# Altium PCB DAC_Sources.PcbDoc (part 3 of 8)
Units mm, origin at the board's own origin, x right, y up, seen from the top; angles counter-clockwise.
Board outline 277 x 137 mm, 8 copper layers (Top Layer, GND_02, SIG_03, PWR_04, PWR_05, SIG_06, GND_07, Bottom Layer), stack 1.669 mm thick; 635 components, 416 nets, 2247 pads, 2216 vias.
Unrouted connection lines stored in the file: 515.
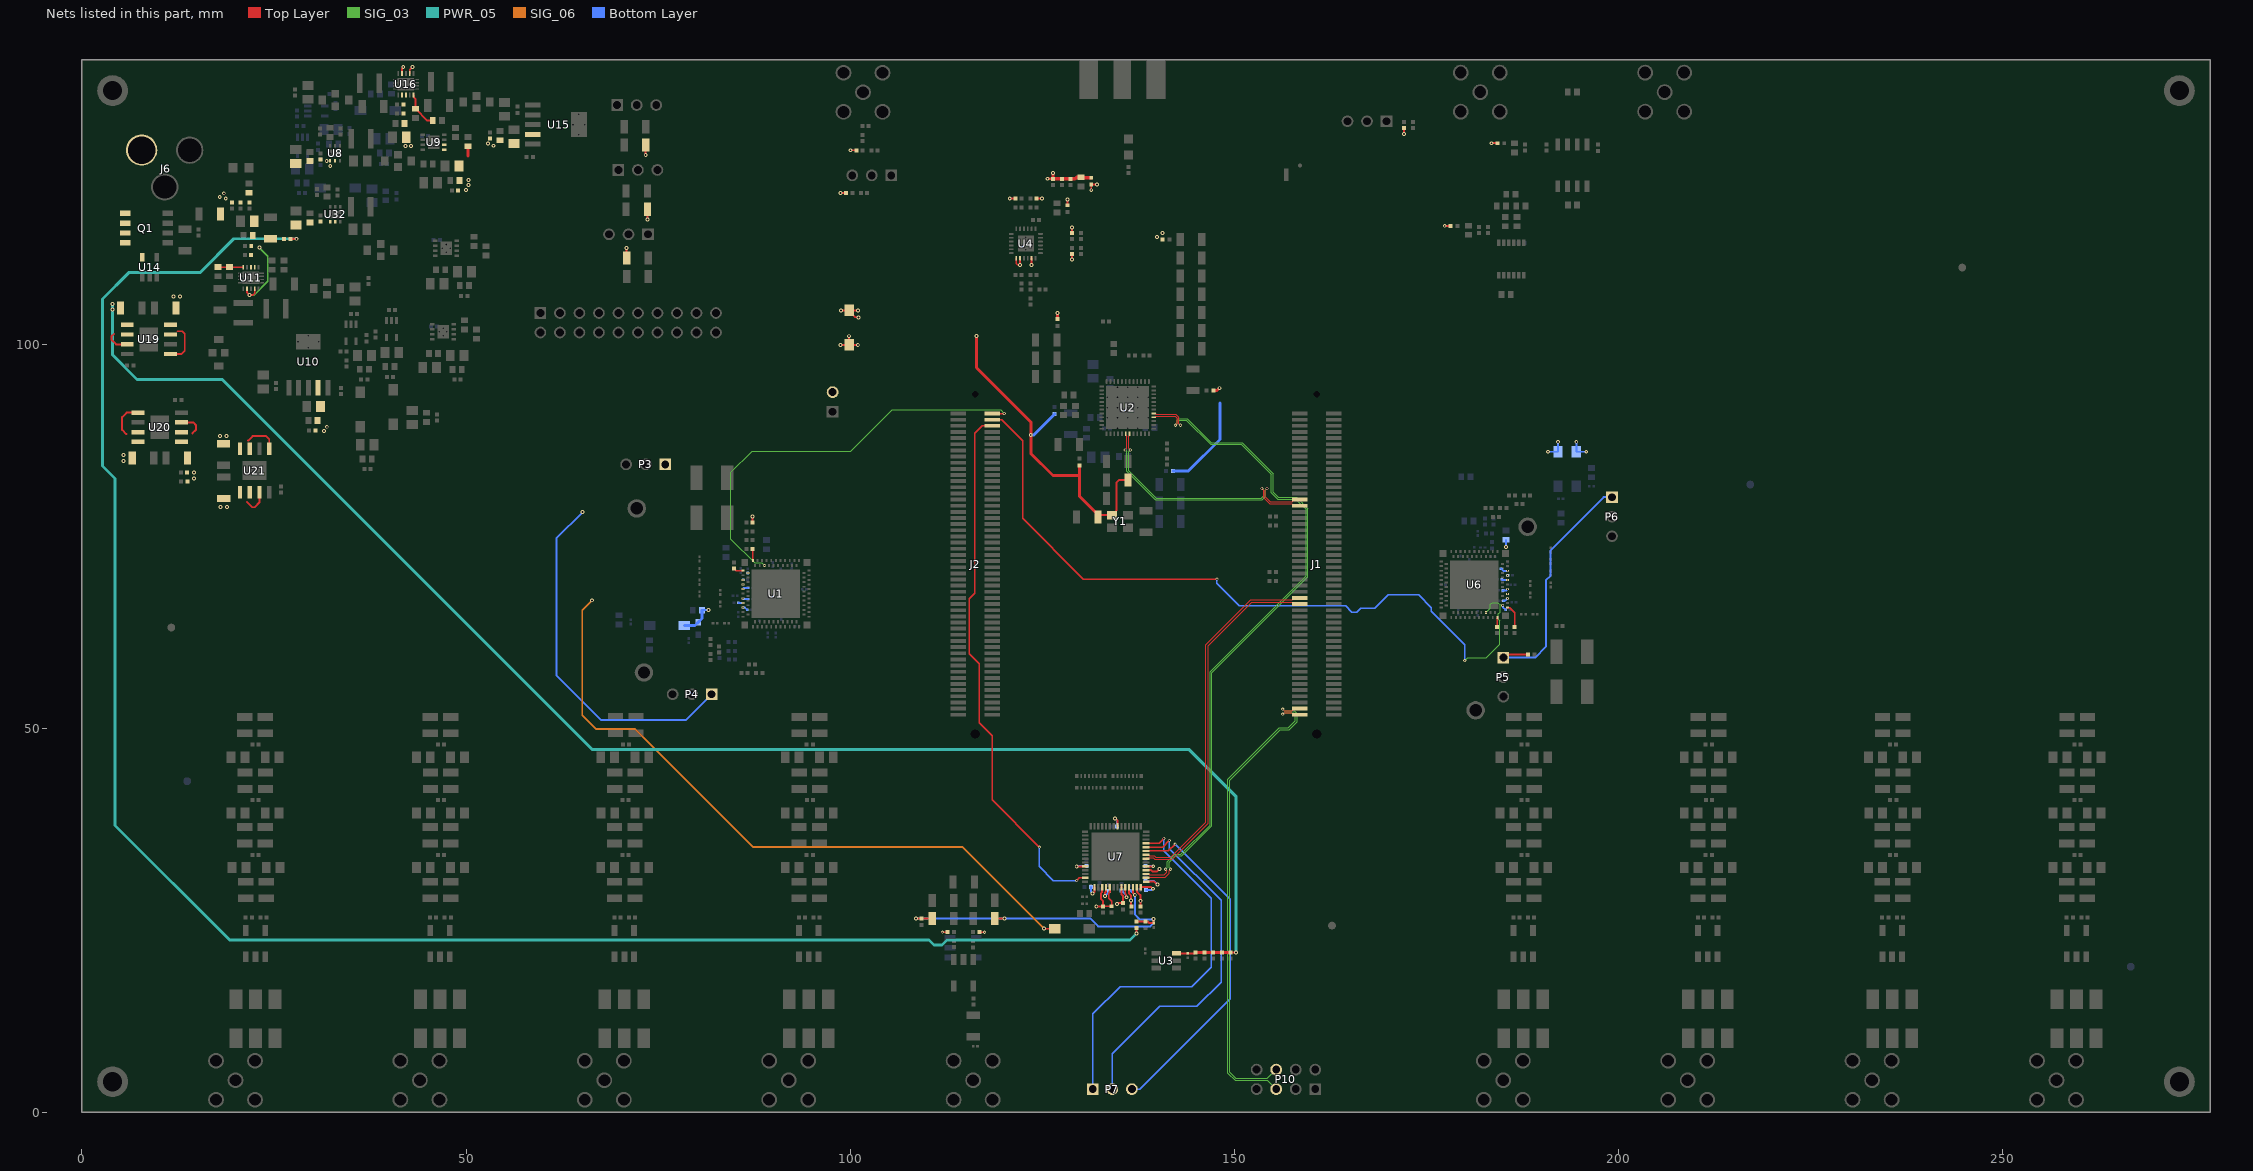
[diagram p9: the nets of this part, all layers, seen from the top]

## Via types
v1: diameter 0.406, hole 0.203, Top Layer to Bottom Layer, tented both sides, 1493 vias
v2: diameter 0.508, hole 0.254, Top Layer to Bottom Layer, tented both sides, 563 vias
v3: diameter 0.254, hole 0.152, Top Layer to Bottom Layer, tented both sides, 60 vias
v4: diameter 0.6, hole 0.3, Top Layer to Bottom Layer, tented top, 58 vias
v5: diameter 0.61, hole 0.305, Top Layer to Bottom Layer, tented top, 25 vias
v6: diameter 0.61, hole 0.305, Top Layer to Bottom Layer, tented both sides, 15 vias
v7: diameter 2, hole 1, Top Layer to Bottom Layer, tented both sides, 2 vias

## Nets (pads, with @x,y where several pads share a name; then routed paths per layer and width w, separated by ;. In a path a pad name is that pad's centre, name@x,y a point inside that pad or via, vN(x,y) a via of type N, cw(c..) or ccw(c..) an arc to the next point about the centre after c; other vN are vias at no path point) (continued)
1.8V_AVDD: C116.1 C117.1 C118.1 C119.1 C120.1 C122.1 C124.1 C125.1 C126.1 C127.1 C128.1 C129.1 C130.1 U7.30 U7.32 U7.33 U7.34 U7.37 U7.38 U7.39 U7.41 U7.42 U7.43 U7.46 U20.5 U20.6 U20.7 | length 33.8
  Top Layer w0.254: U20.7@12.966,89.815 14.505,89.815 14.86,89.46 14.86,88.84 14.39,88.37 ; v2@131.53,28.48 v2(131.538,28.488) 131.769,28.719 131.769,29.305 U7.30@131.8,29.336 ; v2(132.03,26.83) C125.1@132.91,26.83 ; U7.32@132.8,29.336 132.8,28.69 132.62,28.51 132.62,27.788 132.91,27.498 C125.1@132.91,26.83 ; v2@133.14,28.15 v2(133.148,28.158) 133.15,28.16 133.15,28.61 133.3,28.76 U7.33@133.3,29.336 ; U7.34@133.8,29.336 133.8,28.7 133.65,28.55 133.65,27.89 134.04,27.5 C126.1@134.04,26.84 132.92,26.84 C125.1@132.91,26.83 ; v2(134.73,27.11) 134.86,27.24 C127.1@135.49,27.24 135.49,28.23 135.3,28.42 U7.37@135.3,29.336 ; U7.38@135.8,29.336 135.8,28.46 135.931,28.329 135.931,28.059 v2(135.98,28.01) ; U7.39@136.3,29.336 136.3,28.49 136.532,28.258 136.532,26.928 C120.1@136.63,26.83 ; U7.41@137.3,29.336 137.314,29.322 137.314,28.744 137.78,28.278 137.78,27.56 v2(137.77,27.55) 137.775,27.545 137.775,26.835 C130.1@137.78,26.83 ; U7.42@137.8,29.336 139.174,29.336 v2(139.39,29.12) ; U7.43@138.5,30.036 139.575,30.036 139.951,29.66 v2(140.02,29.66) ; U7.46@138.5,31.536 139.164,31.536 139.33,31.37 139.95,31.37 v2@140.27,31.69
  Bottom Layer w0.254: C124.1@131.32,29.36 131.32,28.706 v2(131.538,28.488) ; v2(133.148,28.158) 133.67,28.68 C118.1@133.67,28.81 ; C119.1@135.29,28.92 135.931,28.279 135.931,28.059 v2(135.98,28.01) ; C116.1@138.46,30.11 139.57,30.11 v2(140.02,29.66) ; C117.1@138.47,28.94 139.21,28.94 v2(139.39,29.12)
  other v2: 136.532,27.593 140.278,31.698 14.58,82.491 14.58,83.31
1.8V_DRVDD: C132.1 C133.1 C134.1 C135.1 U7.7 U7.24 U7.47 U21.5 U21.6 U21.7 | length 10.2
  Top Layer w0.254: 21.51,79.43 22.17,78.77 22.49,78.77 23.125,79.405 U21.7@23.125,80.724 ; v2(129.484,32.036) U7.24@130.6,32.036 ; v2(134.48,38.28) 134.8,37.96 U7.7@134.8,37.236 ; U7.47@138.5,32.036 139.439,32.036 v2(139.447,32.044)
  Bottom Layer w0.254: v2(129.484,32.036) 129.558,32.11 C134.1@130.75,32.11 ; v2(134.48,38.28) 134.73,38.03 C133.1@134.73,37.21 ; C135.1@138.44,32.05 139.4,32.05 v2@139.42,32.03
  other v2: 18.061,78.81 18.88,78.81
3.3V_AVDD: C114.1 C136.1 C137.1 C138.1 C139.1 C140.1 C307.1 U3.3 U19.5 U19.6 U19.7 | length 207.9
  Top Layer w0.254: 4.2,101.34 3.86,101 3.86,100.58 4.465,99.975 U19.7@5.904,99.975 ; U3.3@142.47,20.71 C307.1@143.91,20.71 144.845,20.71 C136.1@144.968,20.833 ; C140.1@149.52,20.833 v2(150.19,20.833)
  Top Layer w0.381: C136.1@144.968,20.833 C137.1@146.11,20.833 C138.1@147.25,20.833 C139.1@148.39,20.833 C140.1@149.52,20.833
  PWR_05 w0.381: v2(3.98,105.209) 3.98,98.61 7.18,95.41 18.28,95.41 66.47,47.22 144.13,47.22 150.19,41.16 v2(150.19,20.833)
  other v2: 3.98,104.49
3.3V_LOGIC: FB12.2 P3.1 P4.1 P5.1 P6.1 R70.2 R75.2 | length 84
  Top Layer w0.254: R70.2@87.31,76.77 v2(87.31,77.59) ; v2(98.75,99.91) FB12.2@99.87,99.91 ; v2(99.87,101.03) FB12.2@99.87,99.91 ; v2(100.99,99.91) FB12.2@99.87,99.91 ; P5.1@185.01,59.2 185.41,59.6 R75.2@188.24,59.6
  Bottom Layer w0.254: v2(65.17,78.13) 61.77,74.73 61.77,56.91 67.61,51.07 78.61,51.07 P4.1@81.97,54.43 ; P5.1@185.01,59.2 189.13,59.2 190.557,60.627 190.557,65.059 190.55,65.066 190.55,69.25 191.16,69.86 191.16,73.17 198.07,80.08 P6.1@199.15,80.08
3.3VA_DAC1: C53.2 C54.1 C56.2 C220.1 C221.1 C222.1 C223.1 C224.1 C225.1 C226.1 FB11.1 FB17.1 FB20.1 U1.A36 U1.A37 U1.A38 U1.A40 U1.A41 U1.A42 U1.B31 U10.4 | length 95.6
  Top Layer w0.254: v2@125.24,23.91 FB20.1@126.61,23.91
  SIG_06 w0.254: v2(66.4,66.66) 65.13,65.39 65.13,51.7 66.91,49.92 71.99,49.92 87.33,34.58 114.586,34.58 v2(125.248,23.918)
  Bottom Layer w0.254: C226.1@80.93,65.37 v2(81.58,65.37) ; C224.1@85.43,66.32 86.028,66.32 v3(86.03,66.318) ; v3(86.03,65.718) 86.282,65.718 C225.1@86.6,65.4 ; v3(86.03,66.918) 86.118,66.83 C223.1@86.72,66.83 ; v3(86.03,68.118) 86.172,68.26 C221.1@86.69,68.26
  Bottom Layer w0.381: FB17.1@78.41,63.39 79.805,63.39 FB11.1@80.23,63.815 80.71,64.295 C226.1@80.71,65.36
  other v2: 31.51,88.67 31.88,89.24
  other v3: 86.03,68.718 86.03,69.318 86.68,70.218
3.3VA_DAC2: C88.2 C89.1 C91.2 C241.1 C242.1 C243.1 C244.1 C245.1 C246.1 C247.1 FB18.1 FB19.1 U6.A36 U6.A37 U6.A38 U6.A40 U6.A41 U6.A42 U6.B31 U15.4 | length 9.9
  Bottom Layer w0.254: C241.1@184.71,70.79 185,70.5 v3(185.53,70.5) ; C242.1@184.8,69.39 184.89,69.3 v3(185.53,69.3) ; v3(184.94,66) 184.94,65.76 185.3,65.4 C246.1@185.32,65.4 ; C244.1@184.96,67.96 185.39,67.96 v3(185.53,68.1) ; C245.1@185.02,66.6 185.23,66.6 v3(185.53,66.9) ; v2(185.35,73.6) C247.1@185.35,74.53 ; v2(190.81,85.99) FB18.1@192.11,85.99 v2(192.11,87.29) ; v2(194.5,87.29) FB19.1@194.5,85.99 v2(195.8,85.99)
  other v2: 53.59,125.82 52.88,126.09
  other v3: 185.53,67.5 185.53,69.9
3.3VCLK: C35.2 C36.1 C38.2 C311.1 FB1.1 FB2.1 FB3.1 FB4.1 FB5.1 FB6.1 FB12.1 FB21.1 FB22.1 FB23.1 FB25.1 P2.2 R23.2 R25.2 R28.2 R33.2 R84.2 R88.2 R94.2 R95.2 U9.1 U9.2 Y1.4 | length 75
  Top Layer w0.23: FB25.1@128.27,118.08 v2(128.27,118.81) ; v2(131.375,120.03) FB21.1@131.375,120.76 v2(132.105,120.76)
  Top Layer w0.254: R95.2@70.91,111.19 v2(70.91,112.49) ; v2(73.39,124.6) R88.2@73.39,125.9 ; R94.2@73.62,117.55 73.64,117.53 v2(73.64,116.23) ; v2(98.73,119.69) R28.2@99.47,119.69 ; v2(98.78,104.38) 99.9,104.38 FB12.1@99.87,104.41 100.12,104.41 100.12,104.01 100.631,103.499 101.031,103.499 v2(101.08,103.45) ; v2(100.06,125.23) R25.2@100.8,125.23 ; FB12.1@100.12,104.38 v2(101.02,104.38) ; C311.1@132.25,77.5 132.505,77.755 Y1.4@134.07,77.755 134.64,78.325 134.64,81.94 135.02,82.32 R23.2@136.15,82.32 ; R84.2@172.06,128.1 172.065,128.095 172.065,127.345 v2(172.07,127.34) ; v2(177.38,115.4) 177.385,115.395 178.135,115.395 FB22.1@178.14,115.39 ; v2@183.48,126.15 FB23.1@184.23,126.15
  Top Layer w0.381: R33.2@50.27,125.74 50.27,124.5 50.28,124.49 ; v2(116.44,101.08) 116.44,96.93 123.51,89.86 123.51,85.77 126.38,82.9 129.84,82.9 ; FB3.1@126.97,103.28 v2(126.97,104.04) ; FB6.1@129.84,84.2 129.84,82.9 ; C311.1@132.25,77.5 132.25,77.78 129.84,80.19 129.84,82.9 ; FB1.1@147.29,93.95 147.75,93.95 v2(148.06,94.26)
  Bottom Layer w0.381: v2(123.502,88.15) 123.511,88.159 123.899,88.159 126.541,90.801 126.541,90.841 126.58,90.88 FB2.1@126.62,90.88 ; FB5.1@142.02,83.48 144.01,83.48 148.12,87.59 148.12,92.36
  other v2: 139.93,113.94 140.66,114.44 50,120.056 50.32,120.686 50.33,121.336 183.475,126.145
3.3VCLK_PECL: C270.1 C271.1 C272.1 C273.1 FB21.2 R86.2 R87.2 R116.2 R117.2 U4.1 U4.2 U4.5 | length 12.5
  Top Layer w0.23: v2(120.77,118.96) R86.2@121.5,118.96 ; U4.1@121.62,111.19 121.62,110.49 121.79,110.32 v2(122.12,110.32) ; R87.2@124.24,118.96 v2(124.97,118.96) ; v2(128.88,110.995) R117.2@128.88,111.725 ; R116.2@128.88,114.455 v2(128.88,115.185)
  Top Layer w0.24: v2(122.12,110.32) U4.2@122.12,111.19 ; v2(123.62,110.32) U4.5@123.62,111.19
  Top Layer w0.381: v2(125.675,121.52) C270.1@126.405,121.52 v2(126.405,122.25)
  Top Layer w0.457: C270.1@126.405,121.52 C271.1@127.545,121.52 C272.1@128.685,121.52 129.255,121.52 129.465,121.73 C273.1@130.055,121.73 130.125,121.66 FB21.2@131.375,121.66
5V_AVDD: R80.2 R82.2 | length 239.2
  Top Layer w0.254: R82.2@27.14,113.7 R82.2@27.15,113.71 ; v2(137.26,23.29) R80.2@137.26,24.03
  Top Layer w0.381: R82.2@27.15,113.71 v2(27.93,113.71)
  PWR_05 w0.381: v2(27.93,113.71) 19.78,113.71 15.37,109.3 6.11,109.3 2.7,105.89 2.7,84.12 4.31,82.51 4.31,37.36 19.24,22.43 110.25,22.43 110.9,21.78 111.95,21.78 112.6,22.43 136.4,22.43 v2(137.26,23.29)
6V: C40.2 C42.2 C43.1 C45.2 C47.1 C48.1 C57.2 C58.2 C59.1 C60.1 C92.2 C93.2 C94.1 C95.1 C113.1 C121.1 C131.1 C266.1 C296.2 C297.2 C298.1 FB7.2 R34.2 R82.1 U8.4 U8.5 U11.2 U11.3 U11.7 U11.9 U16.2 U16.3 U16.7 U16.9 U19.1 U19.3 U19.4 U20.1 U20.3 U20.4 U21.1 U21.3 U21.4 U32.4 U32.5 | length 26.7
  Top Layer w0.229: U19.1@11.556,98.705 12.945,98.705 13.38,99.14 13.38,101.37 13.07,101.68 12.44,101.68 ; U11.7@21.51,107.22 21.51,106.69 v2(21.81,106.39) 22.28,106.39 22.51,106.62 U11.9@22.51,107.22 ; U16.9@41.685,135.22 41.685,135.869 41.83,136.014 v2(41.83,136.09) ; U16.7@42.685,135.22 42.685,135.705 v2(43.06,136.08)
  Top Layer w0.254: 5.8,88.3 5.25,88.85 5.25,90.51 5.825,91.085 U20.1@7.314,91.085 ; 21.65,87.45 22.22,88.02 24,88.02 24.395,87.625 U21.1@24.395,86.376
  SIG_03 w0.229: v2(21.81,106.39) 22.42,106.39 24.2,108.17 24.2,111.46 v2(23.11,112.55)
  other v2: 5.42,84.77 5.42,85.589 17.991,88.03 18.81,88.03 11.951,106.2 12.77,106.2 18.734,118.964 17.952,119.127 18.475,119.631 32.33,123.16 31.87,123.81 42.15,125.79 42.82,125.78
6V_IN: J6.1 Q1.5-6-7-8 U14.5
ADCCLK_N: U2.17 U7.45 | length 86.3
  Top Layer w0.127: U7.45@138.5,31.036 138.83,31.036 138.927,30.938 140.876,30.938 141.228,31.29 141.228,31.472 v1(141.05,31.65) ; U2.17@139.52,90.98 139.7,90.98 139.756,90.924 139.756,90.919 139.831,90.844 142.389,90.844 142.774,90.459 142.774,89.656 v1(142.99,89.44)
  SIG_03 w0.102: v1(141.05,31.65) 141.266,31.866 141.266,32.655 142.22,33.609 143.05,33.609 146.84,37.399 146.84,57.35 159.34,69.85 159.34,78.5 158.019,79.821 155.645,79.821 154.831,80.635 154.831,83.049 150.92,86.96 146.9,86.96 143.77,90.09 142.874,90.09 142.774,89.99 142.774,89.656 v1(142.99,89.44)
ADCCLK_P: U2.16 U7.44 | length 87.3
  Top Layer w0.127: U7.44@138.5,30.536 138.83,30.536 138.927,30.634 141.002,30.634 141.533,31.164 141.533,31.472 v1(141.71,31.65) v1@141.71,31.519 ; U2.16@139.52,90.48 139.7,90.48 139.756,90.536 139.756,90.541 139.831,90.616 142.294,90.616 142.546,90.364 142.546,89.656 v1(142.33,89.44)
  SIG_03 w0.102: v1(141.71,31.65) 141.494,31.866 141.494,32.56 142.314,33.38 143.145,33.38 147.069,37.304 147.069,57.255 159.569,69.755 159.569,78.595 158.113,80.05 155.74,80.05 155.06,80.73 155.06,83.143 151.015,87.189 146.995,87.189 143.865,90.319 142.779,90.319 142.546,90.085 142.546,89.656 v1(142.33,89.44)
AMP+A: C83.2 | length 0.7
  Top Layer w0.191: C83.2@116.815,23.465 v1@117.485,23.465
  other v1: 117.49,23.46
AMP-A: C78.2 | length 0.7
  Top Layer w0.191: v1@112.015,23.485 C78.2@112.685,23.485
  other v1: 112.01,23.48
BIASJ_DAC1: R71.1 U1.A33 | length 1.5
  Top Layer w0.191: U1.A33@87.33,71.818 R71.1@87.33,73.32
BIASJ_DAC2: R76.1 U6.A33 | length 1.2
  Top Layer w0.191: R76.1@184.2,63.21 184.23,63.24 U6.A33@184.23,64.4
CML: C84.1 C260.1 C264.1 R46.1 R50.1 R80.1 R81.2 U7.40 | length 45.6
  Top Layer w0.254: v2(108.57,25.23) 108.575,25.225 109.245,25.225 C84.1@109.25,25.22 110.68,25.22 R46.1@110.69,25.23 ; R50.1@118.83,25.26 v2(120.06,25.26) ; U7.40@136.8,29.336 136.8,28.566 137.04,28.326 v2(137.04,28.3) ; R80.1@137.26,24.83 R81.2@138.41,24.83 138.77,24.83 138.95,24.65 C264.1@139.5,24.65 v2(139.5,25.18)
  Bottom Layer w0.254: v2(108.57,25.23) 120.03,25.23 v2(120.06,25.26) 131.23,25.26 132.27,24.22 139.06,24.22 139.51,24.67 139.5,24.68 v2(139.5,25.18) 139.42,25.1 137.72,25.1 137.04,25.78 v2(137.04,28.3) 137.04,28.32 136.47,28.89 C260.1@136.47,28.91
CS_DAC1: J2.1 U1.B28 | length 55.2
  Top Layer w0.191: J2.1@118.475,90.967 v1(120.057,90.967)
  SIG_03 w0.152: v3@88.809,71.168 v3(88.83,71.168) 88.468,71.53 87.58,71.53 84.48,74.63 84.48,83.31 87.23,86.06 100.07,86.06 105.47,91.46 119.564,91.46 v1(120.057,90.967)
CS_DAC2: J2.3 U6.B28 | length 97.7
  Top Layer w0.191: J2.3@118.475,90.167 119.703,90.167 122.47,87.4 122.47,77.31 130.36,69.42 v1(147.74,69.42)
  SIG_03 w0.152: v1(179.99,58.8) 180.38,59.19 182.8,59.19 184.57,60.96 184.57,63.99 184.37,64.19 184.37,64.89 184.583,65.103 184.583,66.058 184.272,66.37 183.55,66.37 183.32,66.14 183.32,65.64 v3(182.73,65.05)
  Bottom Layer w0.191: v1(147.74,69.42) 147.74,68.85 150.65,65.94 164.49,65.94 165.3,65.13 165.94,65.13 166.42,65.61 168.28,65.61 170.03,67.36 173.98,67.36 175.638,65.702 175.638,65.242 179.99,60.89 v1(179.99,58.8)
CSB_ADC: J2.5 U7.27 | length 70
  Top Layer w0.191: J2.5@118.475,89.367 117.207,89.367 116.24,88.4 116.24,67.57 115.51,66.84 115.51,59.73 116.81,58.43 116.81,50.71 118.46,49.06 118.46,40.69 v1(124.62,34.53) ; v1(129.46,30.19) 129.806,30.536 U7.27@130.6,30.536
  Bottom Layer w0.191: v1(124.62,34.53) 124.62,32.02 126.45,30.19 v1(129.46,30.19)
DEF1: R37.1 R38.2 U11.5 | length 3.3
  Top Layer w0.229: R37.1@17.72,110.03 17.73,110.02 U11.5@21.01,110.02
DEF2: R51.1 R52.2 U16.5 | length 4.8
  Top Layer w0.229: U16.5@43.185,132.42 43.191,132.414 43.191,132.129 43.44,131.88 R52.2@43.44,130.62
  Top Layer w0.254: R52.2@43.44,130.62 44.97,129.09 R51.1@45.68,129.09
DUMP: P7.1 U7.53 | length 49.6
  Top Layer w0.191: U7.53@138.5,35.036 140.206,35.036 140.82,35.65 v1(140.82,35.66)
  Bottom Layer w0.191: P7.1@131.58,3.04 131.58,12.84 135.12,16.38 144.47,16.38 146.98,18.89 146.98,27.91 140.82,34.07 v1(140.82,35.66)
DXP0_N: J1.98 P10.6 | length 62.4
  Top Layer w0.127: v1(156.303,52.497) 156.519,52.281 157.514,52.281 157.589,52.356 157.589,52.38 157.775,52.567 J1.98@158.525,52.567
  SIG_03 w0.102: P10.6@155.44,5.58 154.284,4.424 150.18,4.424 149.39,5.214 149.39,43.27 155.951,49.831 157.115,49.831 158.159,50.875 158.159,51.925 157.802,52.281 156.519,52.281 v1(156.303,52.497)
DXP0_P: J1.100 P10.5 | length 62.4
  Top Layer w0.127: v1(156.303,51.837) 156.519,52.053 157.497,52.053 157.589,51.962 157.589,51.953 157.775,51.767 J1.100@158.525,51.767
  SIG_03 w0.102: P10.5@155.44,3.04 154.284,4.196 150.085,4.196 149.161,5.12 149.161,43.365 155.857,50.06 157.02,50.06 157.93,50.97 157.93,51.83 157.707,52.053 156.519,52.053 v1(156.303,51.837)
EMPTY: P7.2 U7.52 | length 47.3
  Top Layer w0.191: U7.52@138.5,34.536 140.686,34.536 v1(141.55,35.4)
  Bottom Layer w0.191: P7.2@134.12,3.04 134.12,7.65 140.27,13.8 145.13,13.8 148.27,16.94 148.27,27.63 141.55,34.35 v1(141.55,35.4)
EXTIO_DAC1: C211.1 U1.A34 | length 1.2
  Top Layer w0.191: C211.1@84.89,70.77 85.142,70.518 U1.A34@86.03,70.518
EXTIO_DAC2: C215.1 U6.A34 | length 3
  Top Layer w0.191: U6.A34@185.53,65.7 185.82,65.7 186.47,65.05 C215.1@186.47,63.21
FILL_N: J1.62 U7.50 | length 47.6
  Top Layer w0.127: U7.50@138.5,33.536 138.586,33.449 138.924,33.449 138.936,33.438 139.542,33.438 139.741,33.239 141.739,33.239 146.3,37.8 146.3,60.88 152.139,66.719 157.527,66.719 157.775,66.967 J1.62@158.525,66.967
FILL_P: J1.64 U7.49 | length 47.6
  Top Layer w0.127: U7.49@138.5,33.036 138.586,33.122 138.924,33.122 138.936,33.134 139.416,33.134 139.615,32.934 141.865,32.934 142.044,33.113 146.605,37.674 146.605,60.754 152.266,66.415 157.475,66.415 157.537,66.353 158.339,66.353 J1.64@158.525,66.167
FPGA_CLK_N: J1.32 U2.7 | length 31.7
  Top Layer w0.127: U2.7@136.37,88.33 136.37,88.15 136.313,88.093 136.309,88.093 136.234,88.019 136.234,86.436 v1(136.45,86.22) ; v1(153.59,81.21) 153.805,80.994 153.805,80.031 154.584,79.253 157.467,79.253 157.567,79.153 158.339,79.153 J1.32@158.525,78.967
  SIG_03 w0.102: v1(136.45,86.22) 136.234,86.004 136.234,83.546 139.821,79.959 153.509,79.959 153.805,80.255 153.805,80.994 v1(153.59,81.21)
FPGA_CLK_P: J1.30 U2.6 | length 32
  Top Layer w0.127: v1(135.79,86.22) 136.006,86.436 136.006,88.019 135.931,88.093 135.926,88.093 135.87,88.15 U2.6@135.87,88.33 ; v1(154.25,81.21) 154.034,80.994 154.034,80.126 154.66,79.5 157.514,79.5 157.589,79.574 157.589,79.58 157.775,79.767 J1.30@158.525,79.767
  SIG_03 w0.102: v1(135.79,86.22) 136.005,86.004 136.005,83.451 139.727,79.73 153.603,79.73 154.034,80.161 154.034,80.994 v1(154.25,81.21)
FULL: P7.3 U7.51 | length 44.9
  Top Layer w0.191: U7.51@138.5,34.036 141.396,34.036 v1(142.28,34.92)
  Bottom Layer w0.191: P7.3@136.66,3.04 137.68,3.04 149.45,14.81 149.45,27.75 v1(142.28,34.92)